# Altium PCB MB V3.PcbDoc (part 1 of 4)
Units mil, origin at the board's own origin, x right, y up, seen from the top; angles counter-clockwise.
Board outline 7875 x 7012 mil, 4 copper layers (Top Layer, Mid Top, Mid Bottom, Bottom Layer), stack 23.756 mil thick; 247 components, 228 nets, 947 pads, 302 vias.
Unrouted connection lines stored in the file: 2.
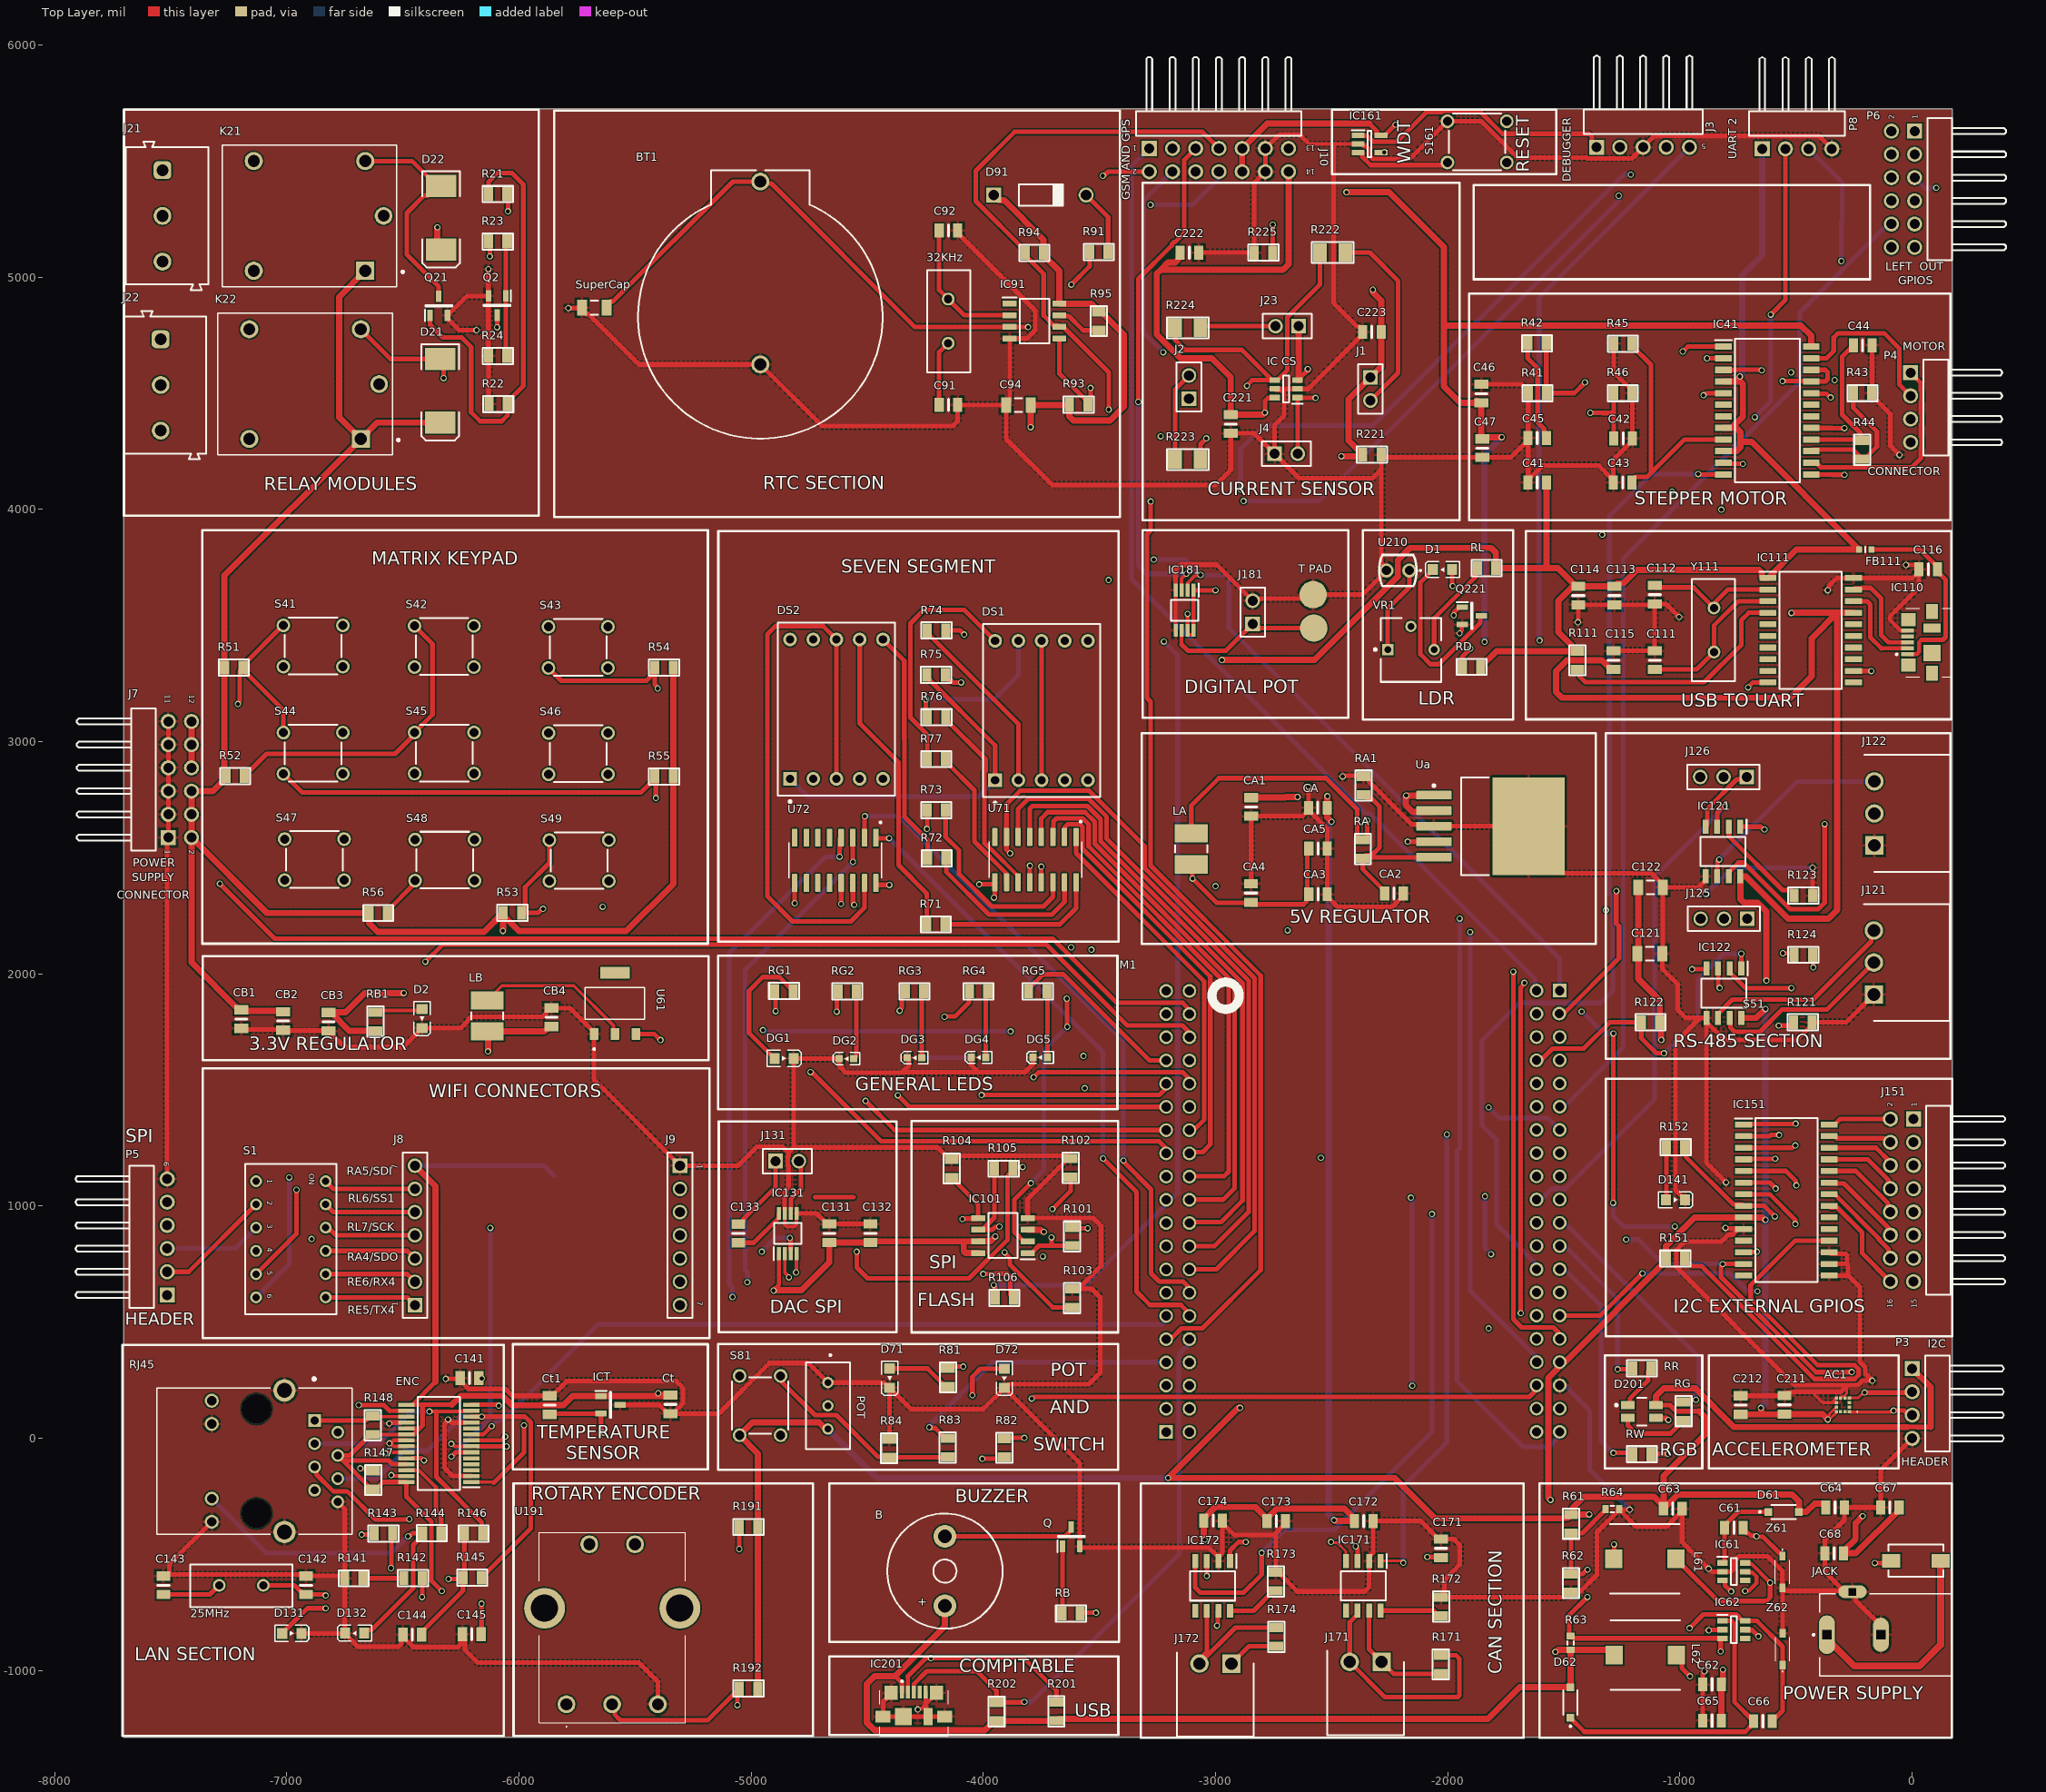
[diagram p0: Top Layer view]
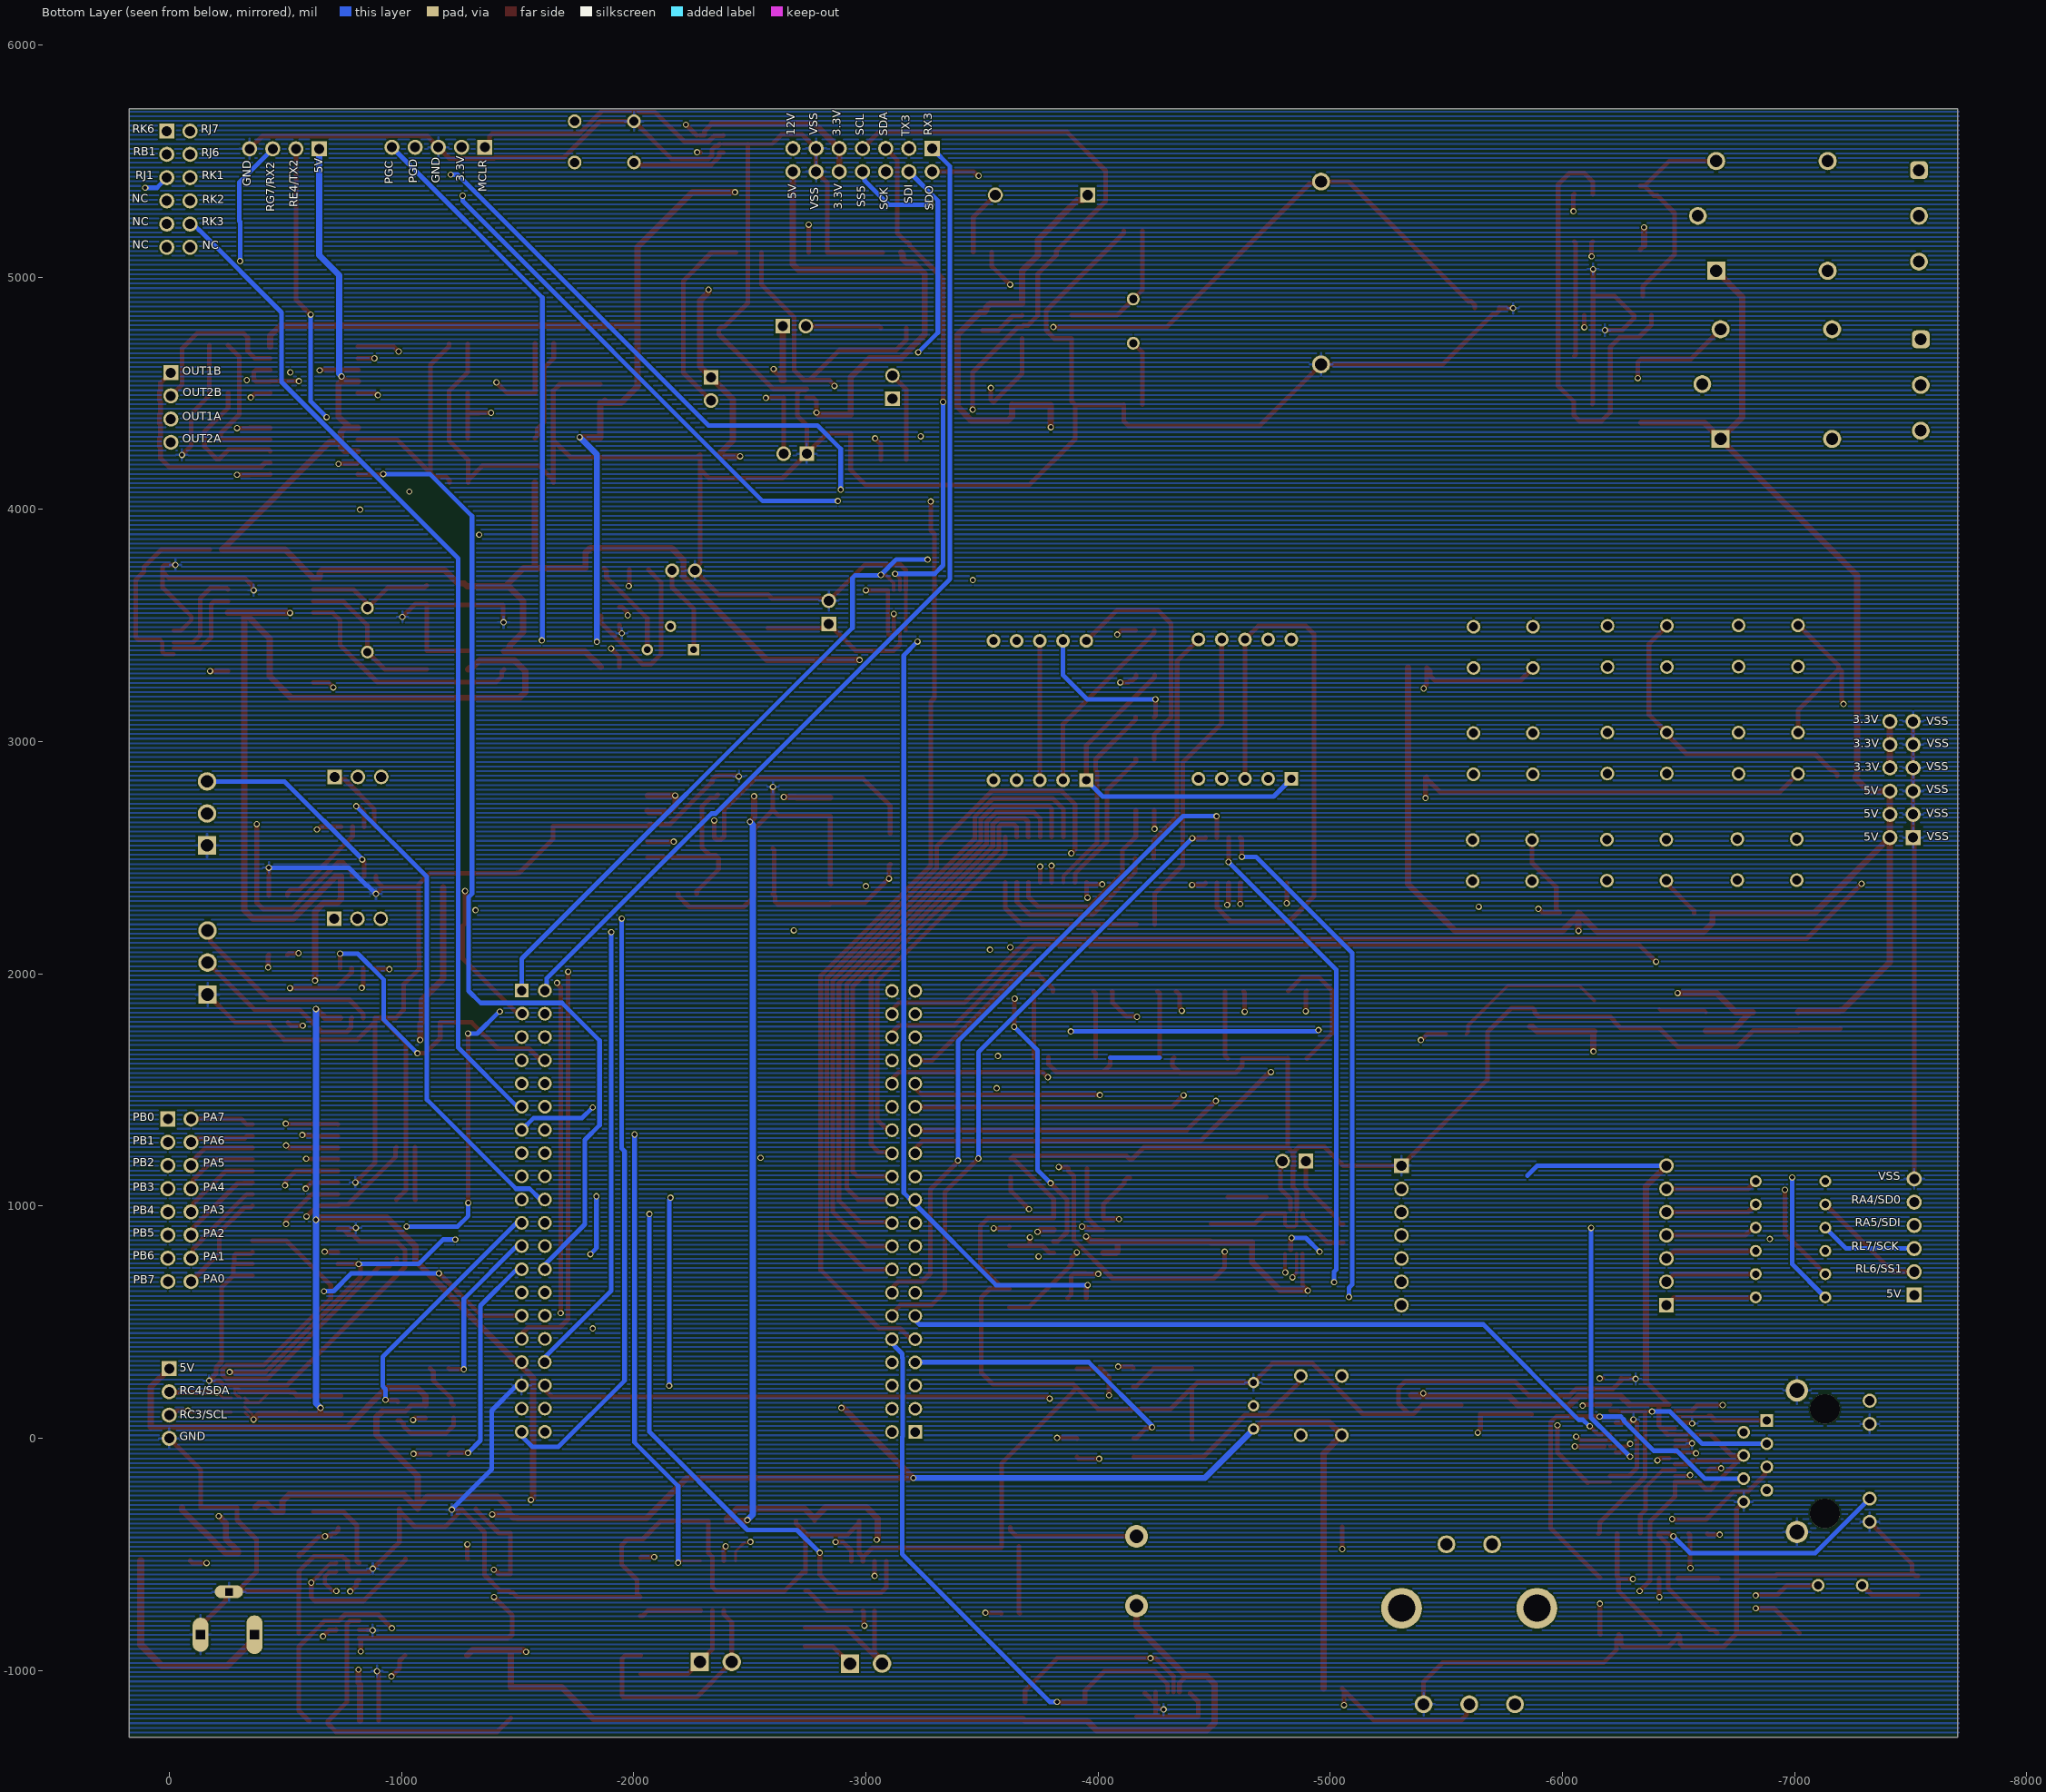
[diagram p1: Bottom Layer view, seen from below]
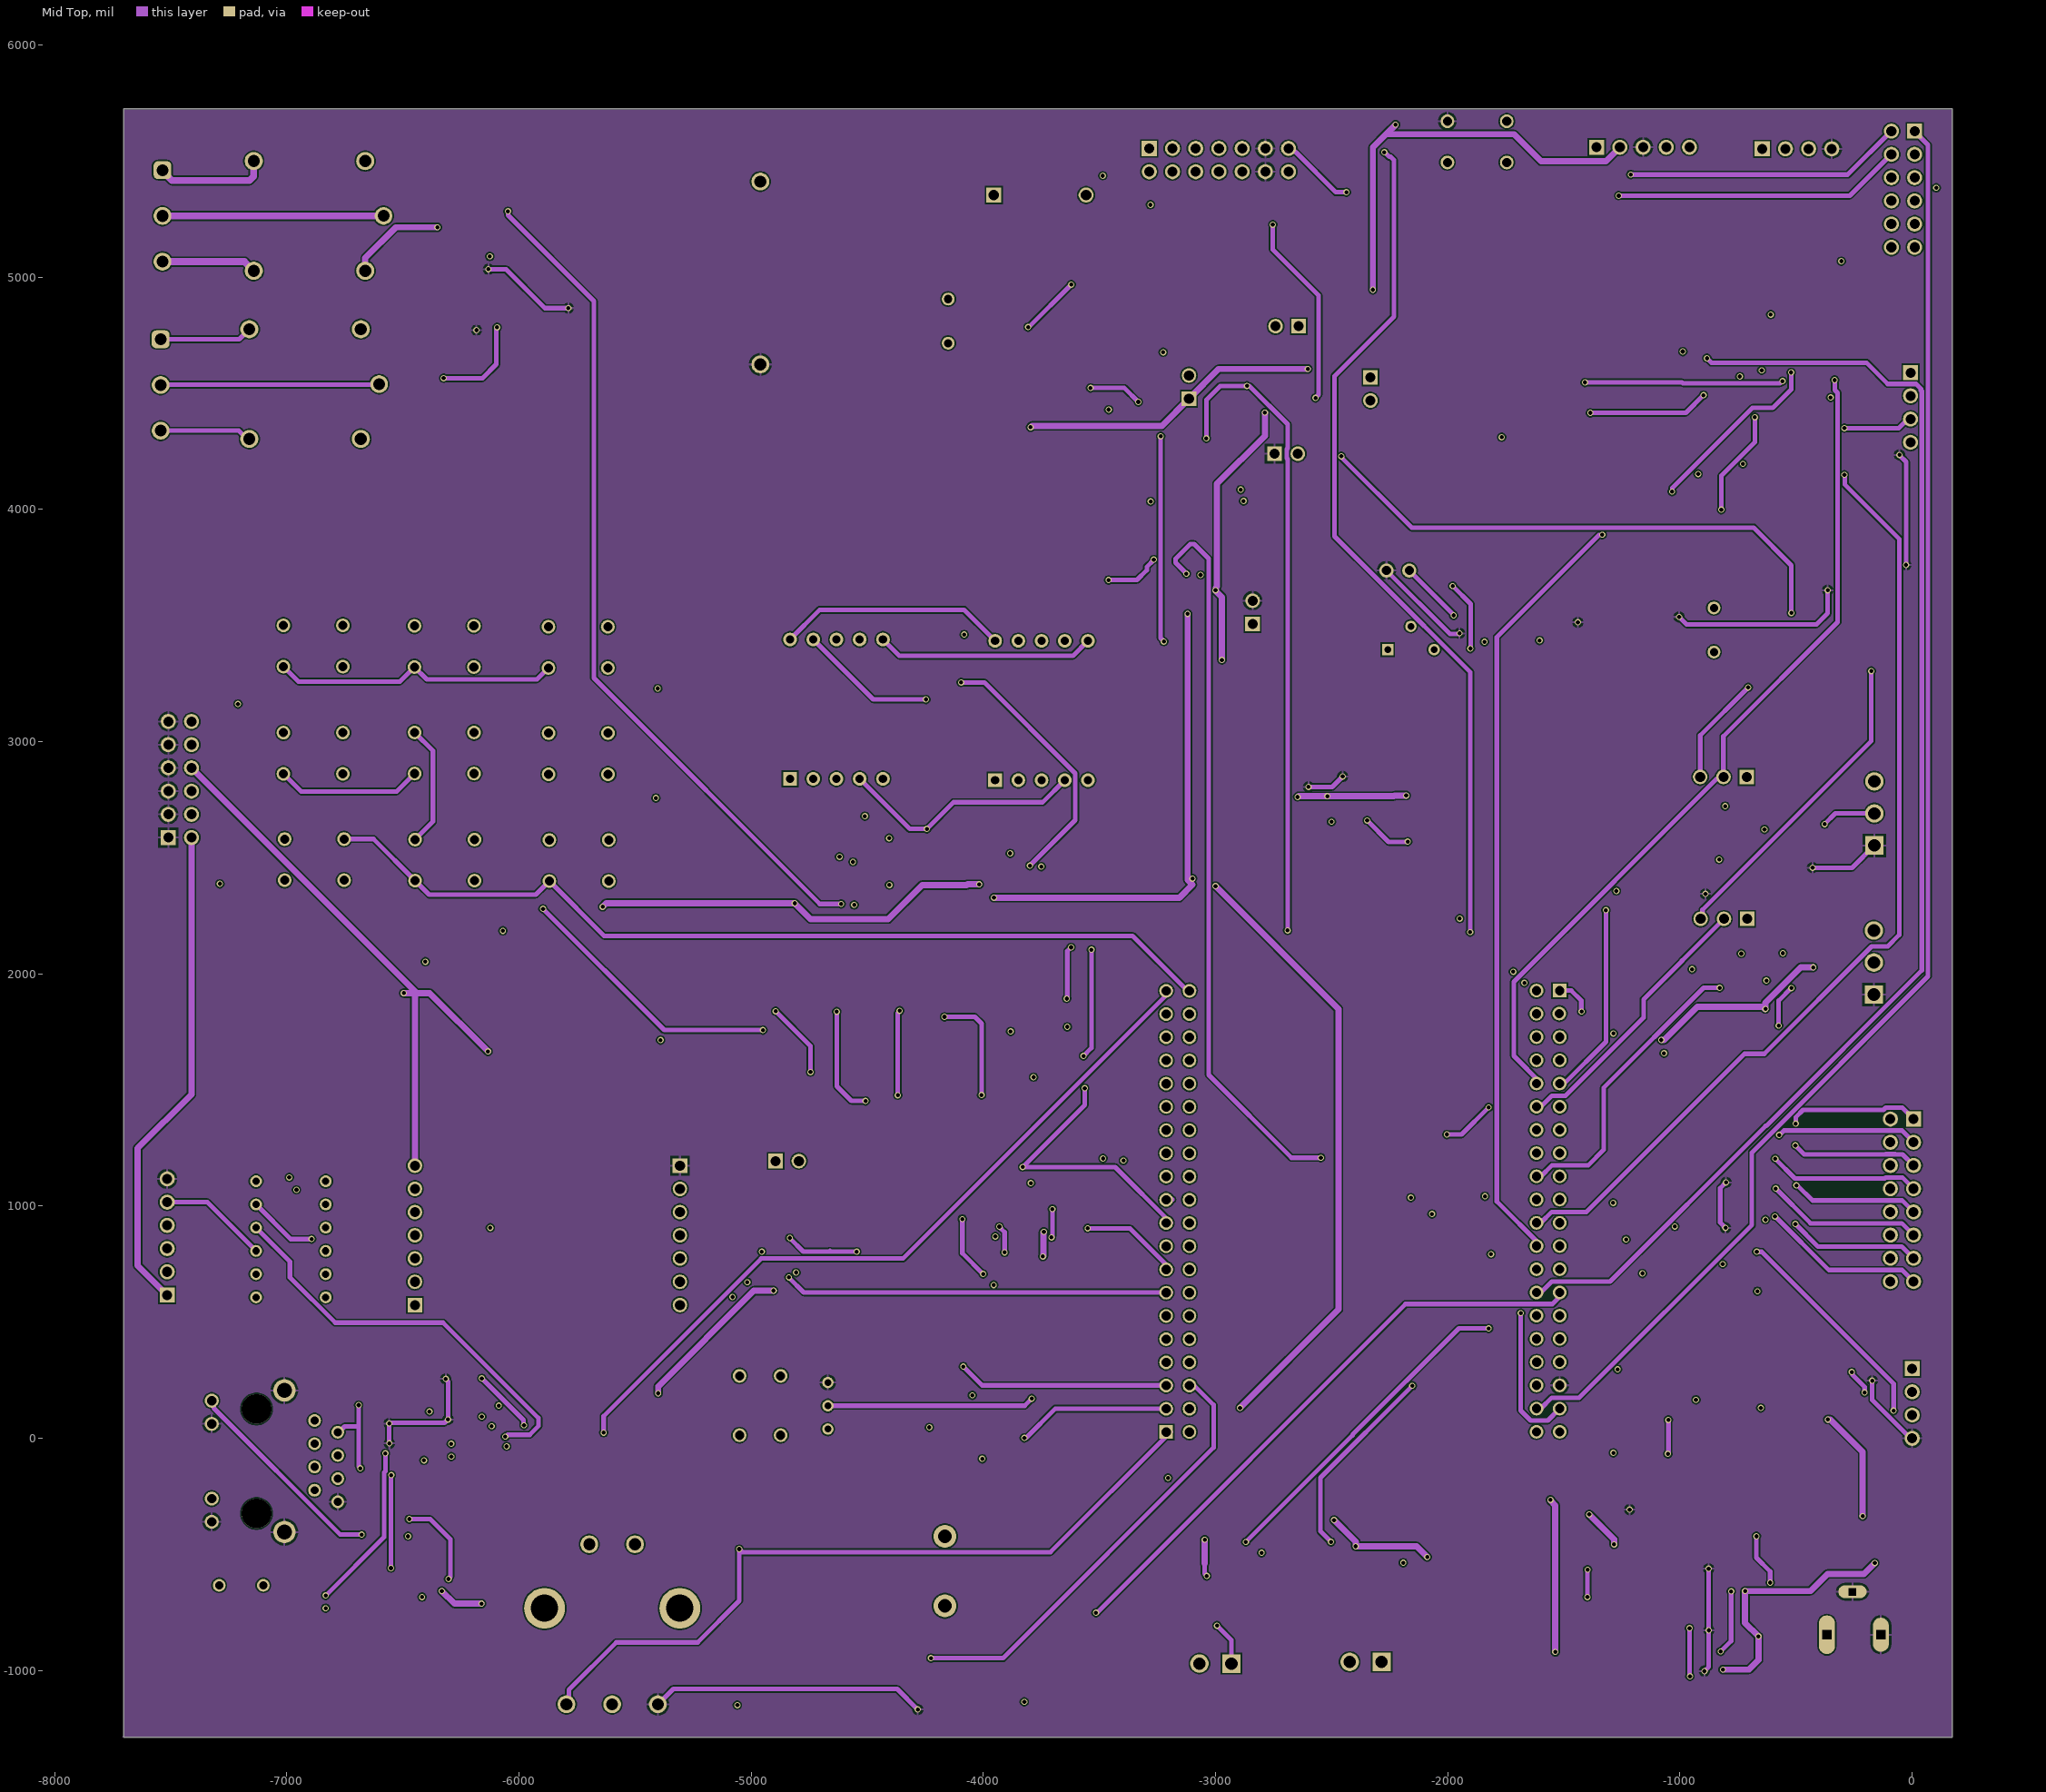
[diagram p2: Mid Top]
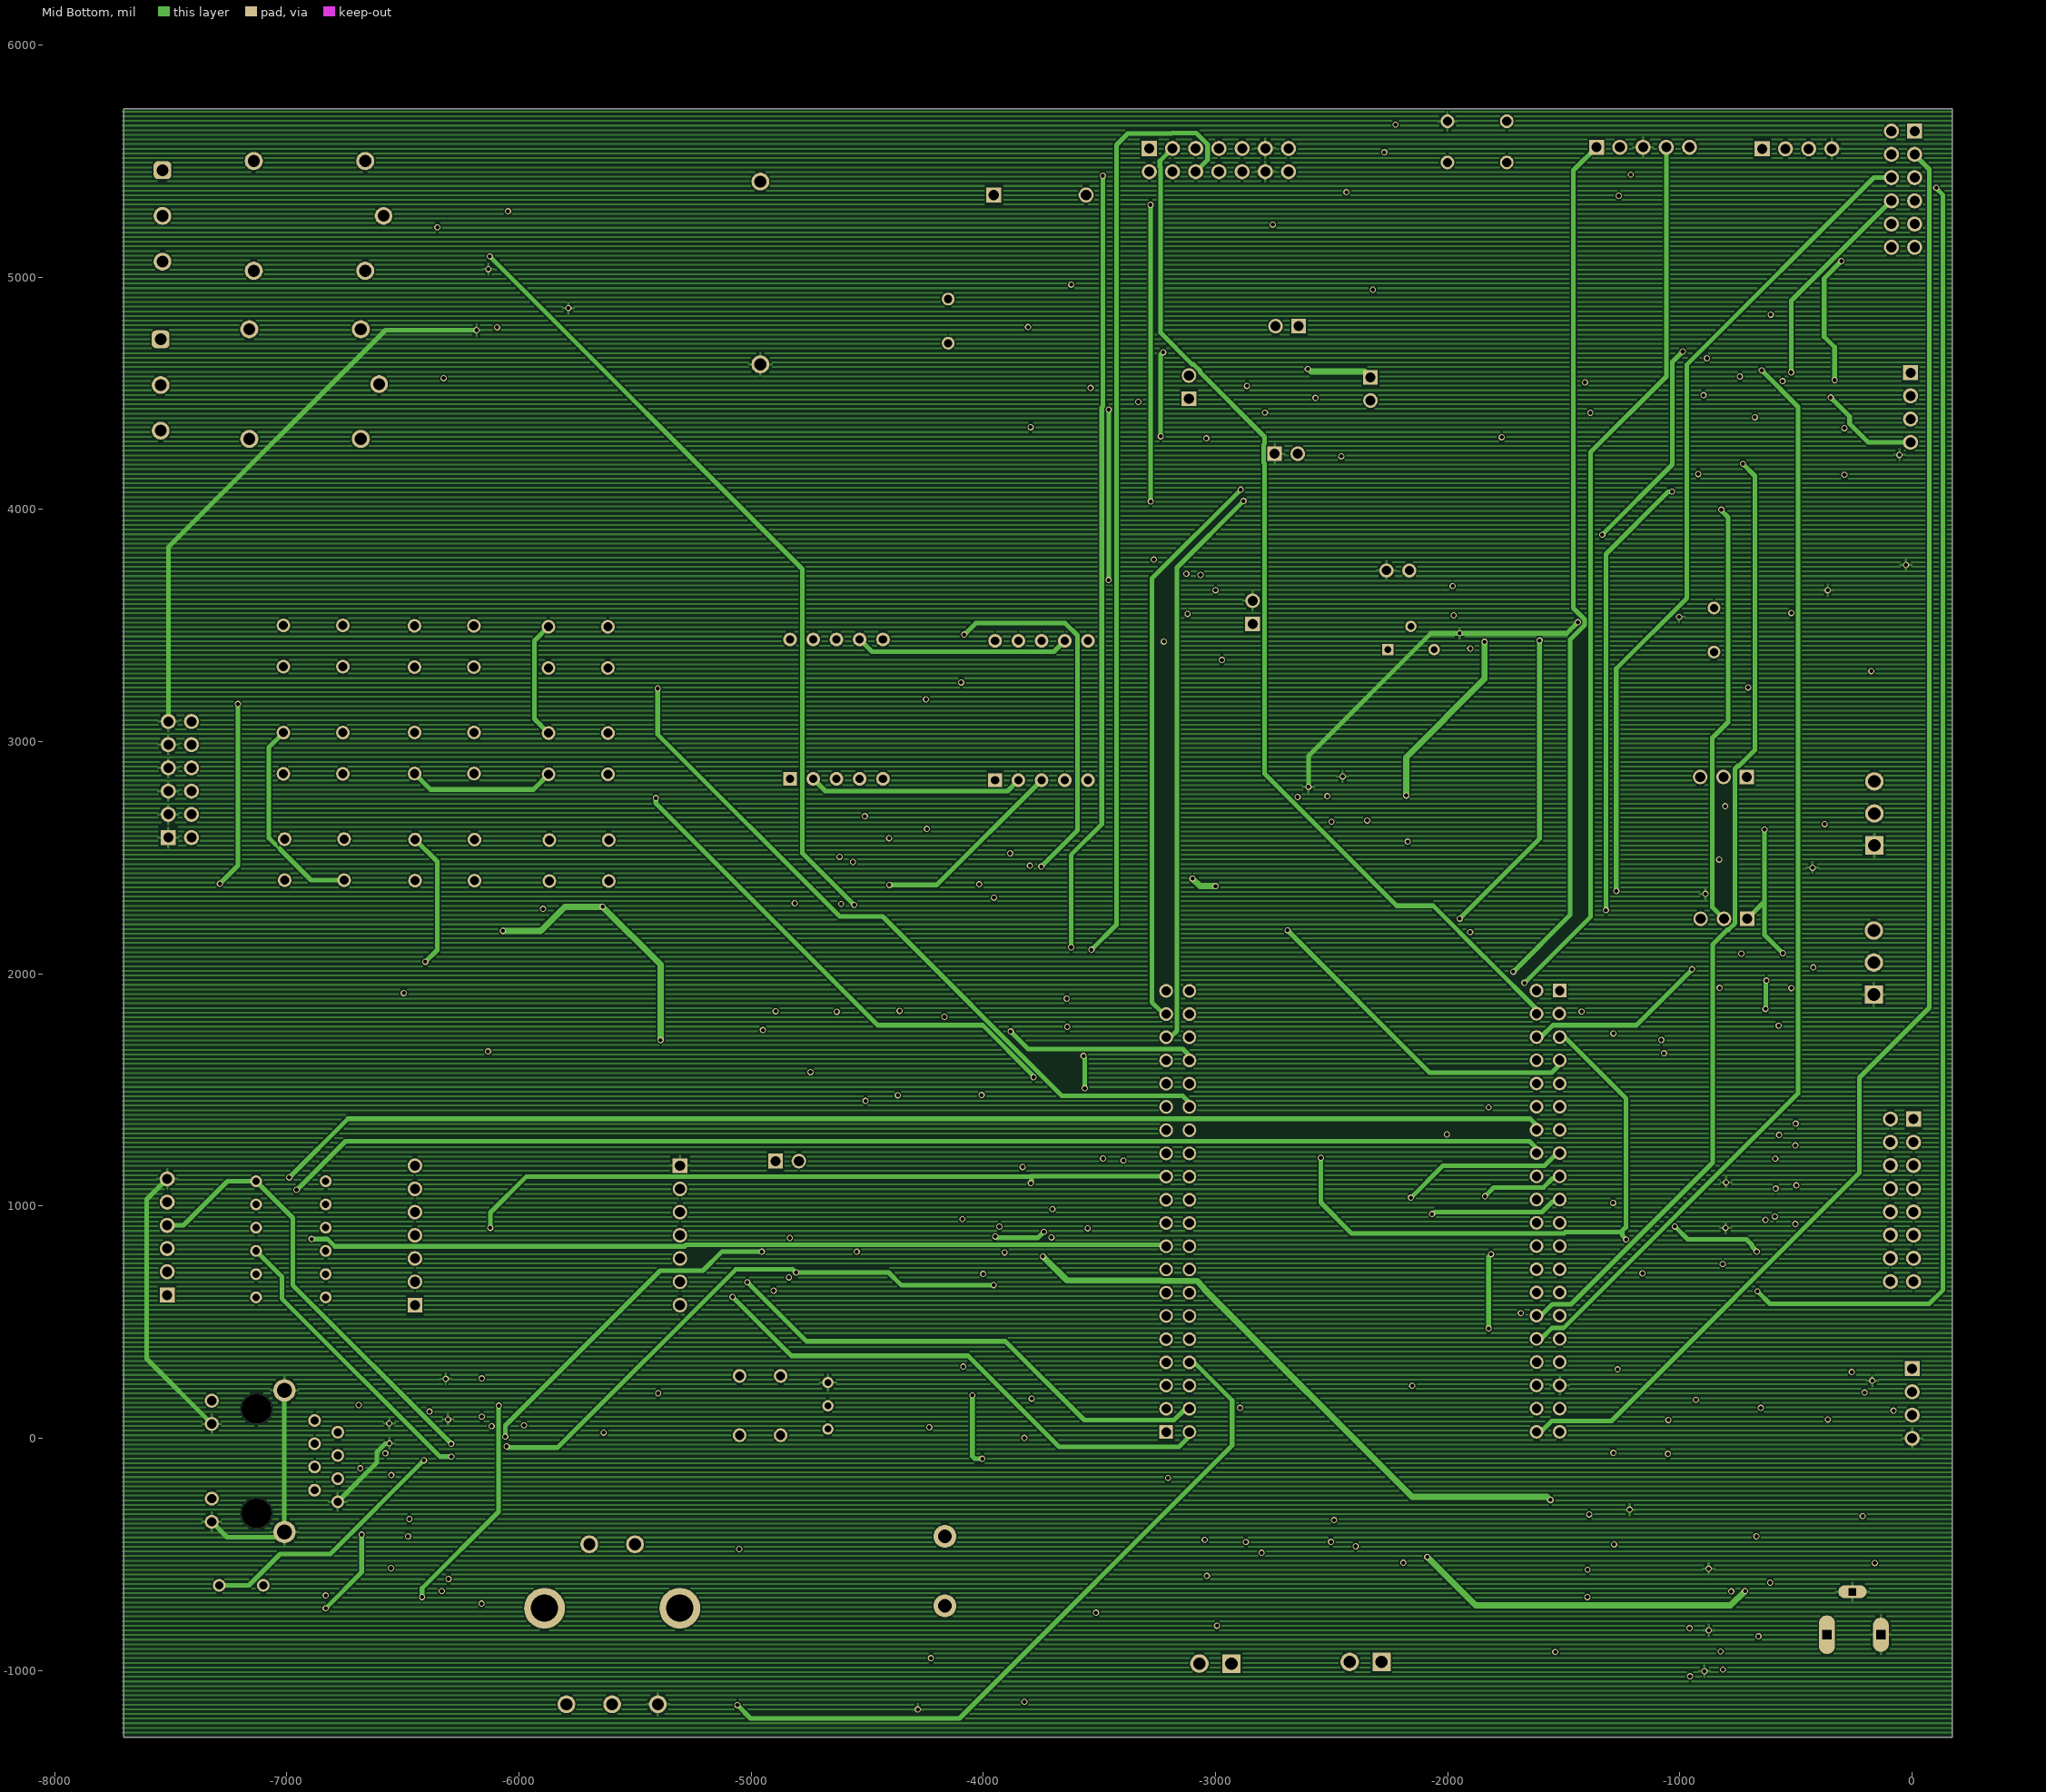
[diagram p3: Mid Bottom]

## Layer stack, top to bottom
Top Solder: solder mask 0.4, Solder Resist, Dk 3.5
Top Layer: signal copper 1.4
Dielectric 2: prepreg 2.8, PP-006, Dk 4.1
Mid Top: signal copper 1.378
Dielectric 1: dielectric 12.6, FR-4, Dk 4.8
Mid Bottom: signal copper 1.378
Dielectric 3: prepreg 2.8, PP-006, Dk 4.1
Bottom Layer: signal copper 1.4
Bottom Solder: solder mask 0.4, Solder Resist, Dk 3.5

## Board outline
-7702.94,-1287 172.06,-1287 172.06,5725 -7702.94,5725

## Design rules (kind name [scope] priority, off if disabled: settings)
Clearance [All] p1: gap=6 ignorepadtopadclearanceinfootprint=FALSE
PolygonConnect [All] p1: connectstyle=Relief reliefconductorwidth=10 reliefentries=4 polygonreliefangle="90 Angle" airgapwidth=10
RoutingVias [All] p1: holewidth=18 width=27 viastyle="Through Hole" minholewidth=18 minwidth=27 maxholewidth=18 maxwidth=27
SolderMaskExpansion [All] p1: expansion=4 istentingtop=FALSE
UnpouredPolygon [OnLayer('Top Layer')] p1:
Width [All] p1: maxlimit=40 minlimit=12 preferedwidth=20
29 further rules are at their usual default settings.

## Classes and differential pairs
component class OPAMP: C46 C47 J3
component class wwdt: IC13 S12
component class "Usb to Uart": C21 C22 C23 C24 C25 C26 FB1 IC6 IC7 R38 Y1
component class USB: R58 R59
component class Stepper_motodriver: IC1 P4
component class "SPI FLASH": IC8
component class Rtc: 1 BT1 C18 C19 C20 IC5 J8 R34 R35 R36 SuperCap1
component class RS-485: C27 C28 IC9 IC10 J11 J12 R40 R41 R43
component class "Rotary Encoder": R56 R57 U4
component class Relaymodule: J6 K1 K2 Q1 Q2 R1 R2 R3 R4
component class powersupply: JACK1 R1 R2
component class Motherboard: J1 J2 J6 M1 P3 P5
component class Matrixkeypad: S2 S3 S4 S5 S6 S7 S8 S9
component class Lan: 2 C32 C35 C36 ENC1 R44 R45 R46
component class "I2C EXTERNAL": D12 IC12 J15 R49 R50
component class "DIGITAL POT": J19 "T PAD1"
component class "DAC SPI": C29 C30 C31 IC11 J13
component class "Current SENSOR": "IC CS1" J6 J23 R63
component class CAN: C37 C38 C39 C40 IC14 IC15 J17 J18
component class BARTGL: B1 Ct2 D13 DG1 DG2 DG3 DG4 DG5 ICT1 Q4 RB2 RG2 RG4 RG6 RR1 RW1 U5
component class ACCELEROMETER: AC1
component class 7segment: DS1 DS2 R23 R24 R25 R26 R27 R28 R29 U2 U3

## Components (designator, comment, footprint, x,y, rotation, side; value= is the part's Value field where it differs from the comment)
25MHz "" "Mini Crystal" -7196.94,-788 r180 top (schematic designator 2)
32KHz "" "Mini Crystal" -3996.94,4811 r270 top (schematic designator 1)
AC1 "LIS2DE12TR" LIS2DE12TR -297.94,144 r180 top